# Altium PCB Copy of foxbms2-master.PcbDoc (part 10 of 11) (continued)
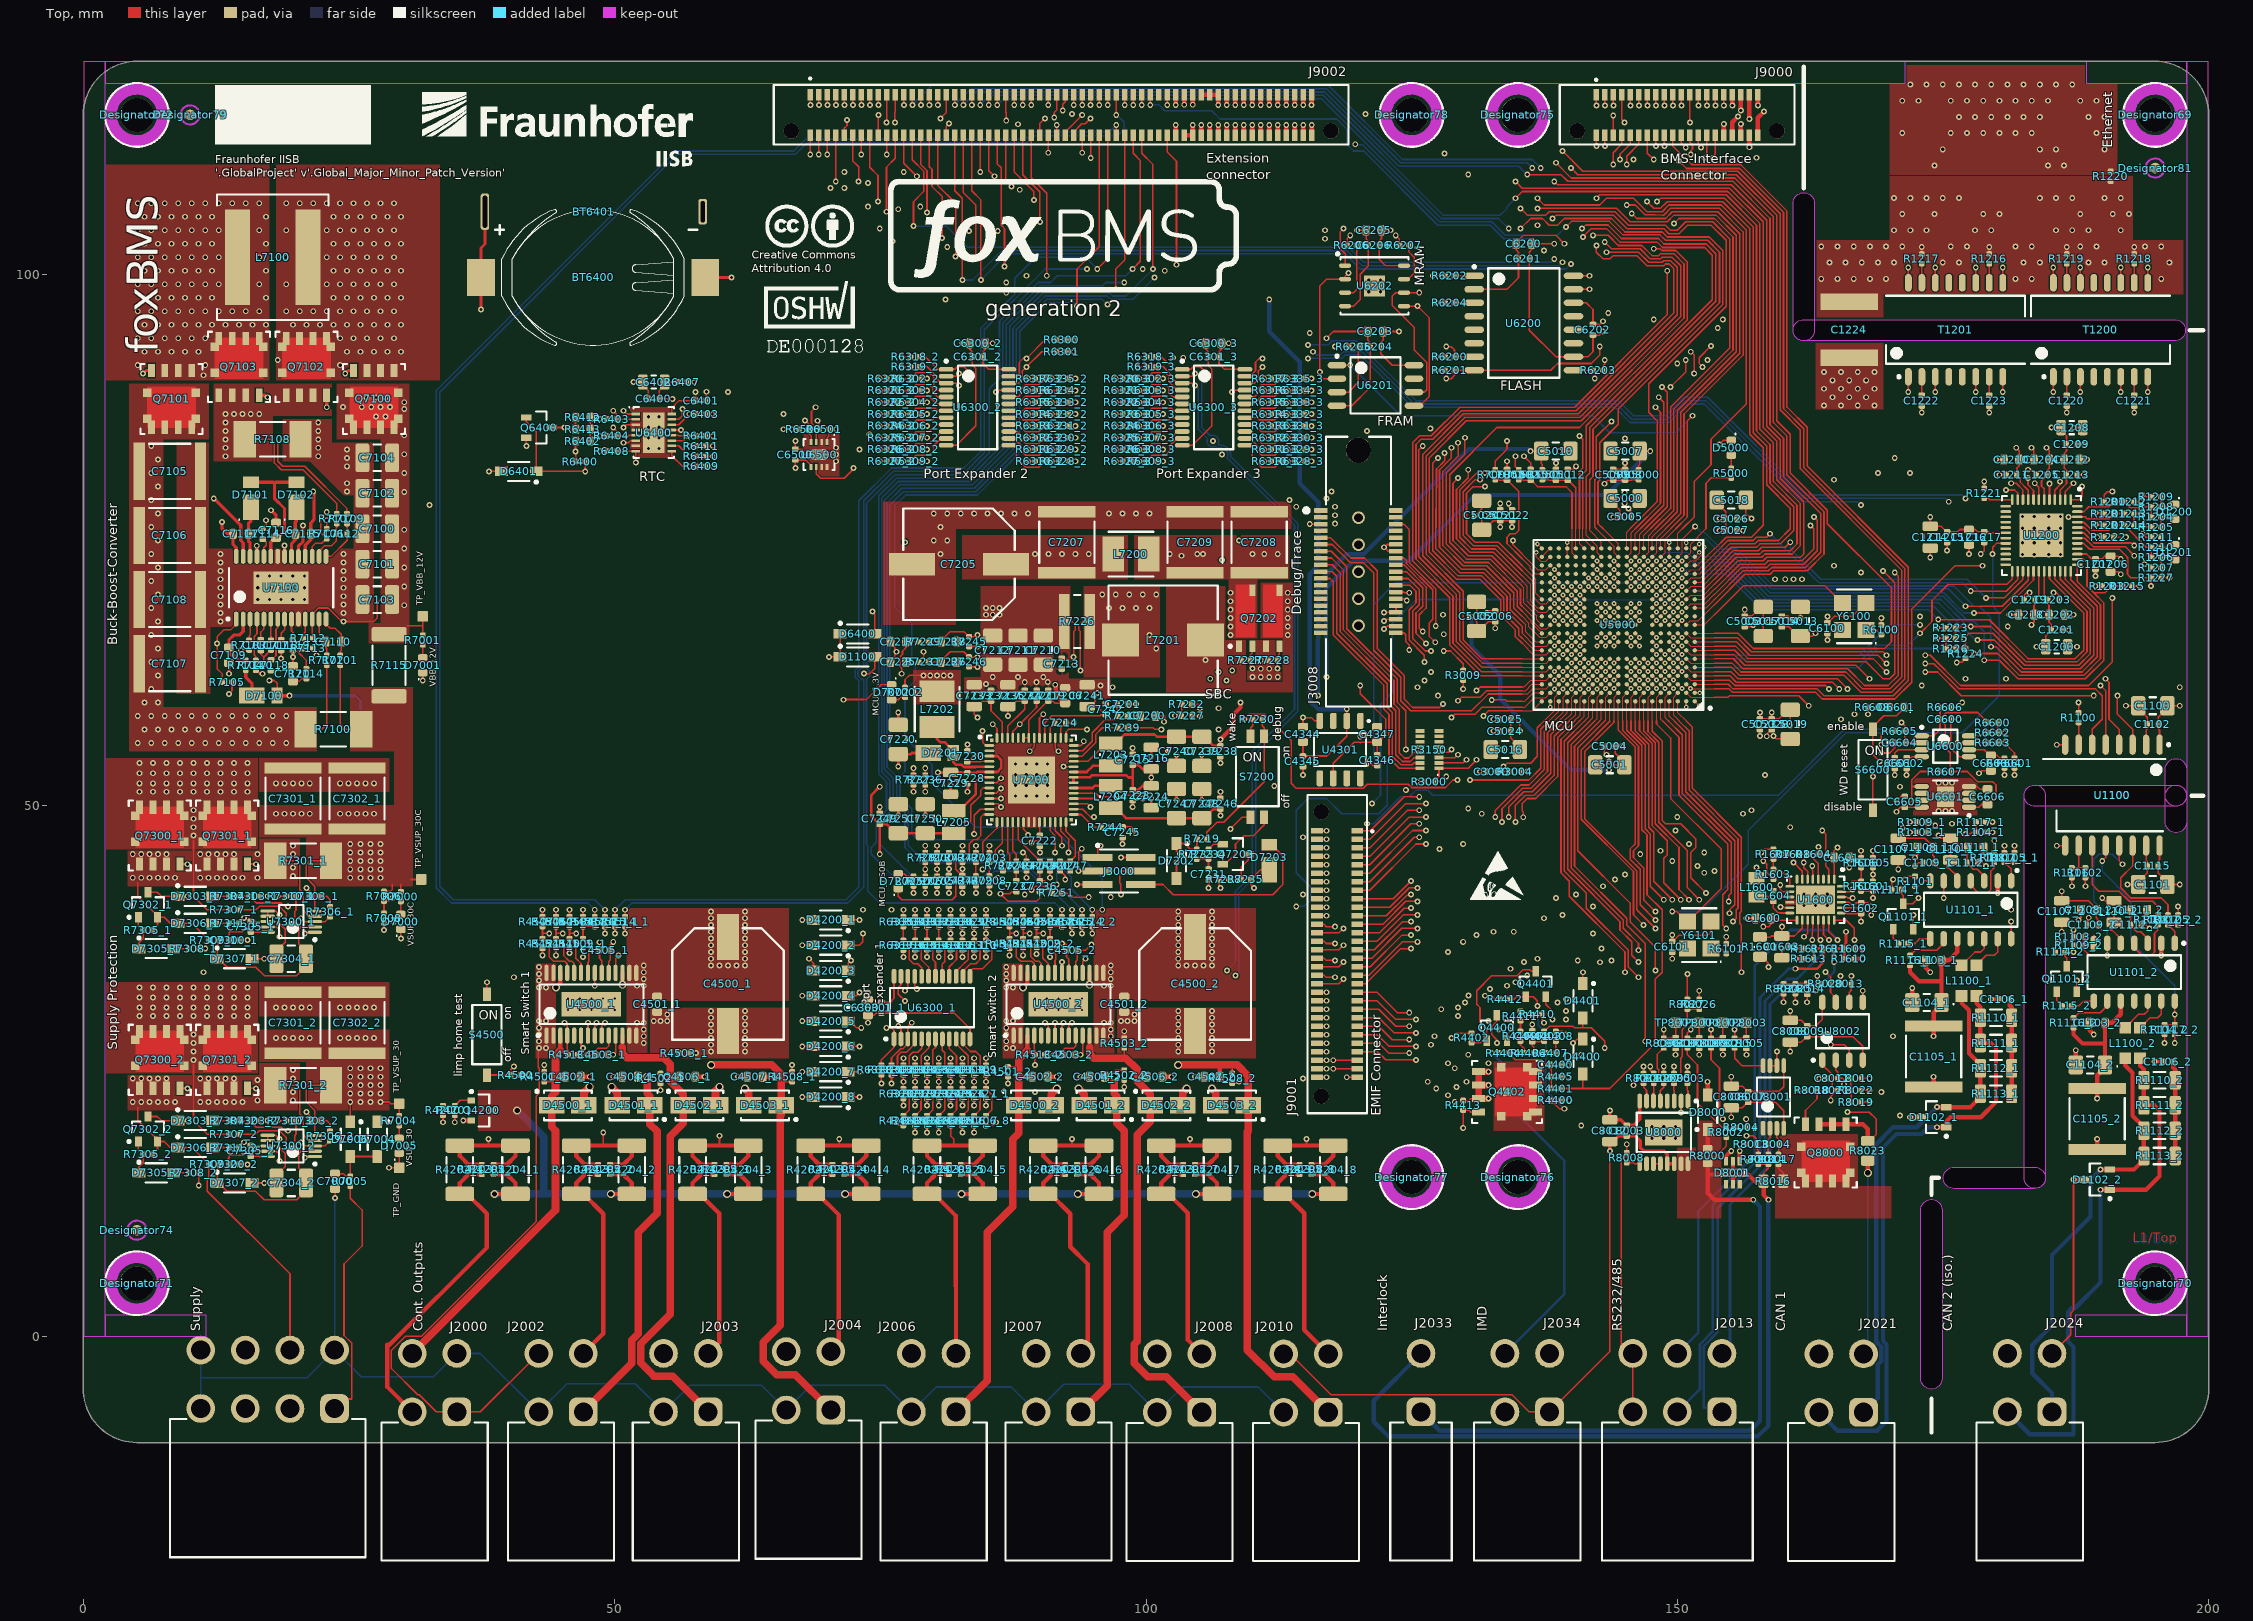
[diagram p0: Top view]
## Nets (pads, with @x,y where several pads share a name; then routed paths per layer and width w, separated by ;. In a path a pad name is that pad's centre, name@x,y a point inside that pad or via, vN(x,y) a via of type N, cw(c..) or ccw(c..) an arc to the next point about the centre after c; other vN are vias at no path point) (continued)
PER_IO.PE_IO3.IO1_2_1: J9000.26 R6312_3.1 R6330_3.2 U6300_3.15 | length 69.7
  Top w0.152: U6300_3.15@109.313,85.196 109.788,85.196 110.571,84.413 110.571,84.384 110.895,84.059 112.132,84.059 R6312_3.1@112.686,84.614 v2(113.347,84.614) R6330_3.2@114.009,84.614 ; v1(151.289,92.71) 151.606,92.392 v1(151.606,90.646) ; J9000.26@152,113.1 152,112.201 152.25,111.951 v1(152.25,111.919)
  Int3 (Sig) w0.152: v2(113.347,84.614) 113.904,84.057 115.729,84.057 115.731,84.059 116.444,84.059 120.332,87.947 145.732,87.947 148.114,90.329 151.289,90.329 v1(151.606,90.646) ; v1(151.289,92.71) 151.289,94.139 151.606,94.456 151.606,110.807 152.25,111.45 v1(152.25,111.919)
PER_IO.PE_IO3.IO1_3_1: J9000.27 R6313_3.1 R6331_3.2 U6300_3.16 | length 74.6
  Top w0.152: U6300_3.16@109.313,85.846 110.21,85.846 110.886,85.171 112.132,85.171 R6313_3.1@112.686,85.725 v2(113.347,85.725) R6331_3.2@114.009,85.725 ; v1(152.4,91.281) 152.082,91.599 152.082,92.146 v1(153.194,93.257) ; v1(152.8,115.887) J9000.27@152.8,116.9
  Int3 (Sig) w0.152: v2(113.347,85.725) 113.904,85.168 115.729,85.168 115.731,85.171 115.8,85.171 118.894,88.265 145.574,88.265 147.955,90.646 150.812,90.646 151.447,91.281 v1(152.4,91.281) ; v1(152.8,115.887) 152.8,113.424 154.305,111.919 154.305,110.649 152.876,109.22 152.876,94.456 153.194,94.139 v1(153.194,93.257)
PER_IO.PE_IO3.IO1_4_1: J9000.28 R6314_3.1 R6332_3.2 U6300_3.17 | length 67.5
  Top w0.152: U6300_3.17@109.313,86.496 110.468,86.496 110.683,86.282 112.132,86.282 R6314_3.1@112.686,86.836 v2(113.347,86.836) R6332_3.2@114.009,86.836 ; v1(152.55,110.966) 152.55,110.99 152.804,111.244 152.804,112.307 152.8,112.312 J9000.28@152.8,113.1
  Int3 (Sig) w0.152: v2(113.347,86.836) 113.902,86.282 116.286,86.282 118.586,88.582 145.415,88.582 147.796,90.964 150.654,90.964 151.924,92.234 151.924,110.34 v1(152.55,110.966)
PER_IO.PE_IO3.IO1_5_1: J9000.29 R6315_3.1 R6333_3.2 U6300_3.18 | length 72.6
  Top w0.152: U6300_3.18@109.313,87.146 110.641,87.146 110.888,87.393 112.132,87.393 R6315_3.1@112.686,87.947 v2(113.347,87.947) R6333_3.2@114.009,87.947 ; v1(153.6,115.887) J9000.29@153.6,116.9
  Int3 (Sig) w0.152: v2(113.347,87.947) 114.234,87.947 114.791,87.391 116.918,87.391 118.427,88.9 145.256,88.9 147.955,91.599 v1(150.019,91.599) ; v1(153.6,115.887) 153.6,113.1 154.623,112.078 154.623,110.554 153.194,109.125 153.194,95.567 v1(153.829,94.932)
  Int1 (Sig) w0.152: v1(150.019,91.599) 150.019,92.392 152.559,94.932 v1(153.829,94.932)
PER_IO.PE_IO3.IO1_6_1: J9000.30 R6316_3.1 R6334_3.2 U6300_3.19 | length 68.4
  Top w0.152: U6300_3.19@109.313,87.796 110.18,87.796 110.886,88.502 112.129,88.502 R6316_3.1@112.686,89.059 v1(113.347,89.059) R6334_3.2@114.009,89.059 ; v1(153.35,110.966) 153.35,110.999 153.6,111.249 J9000.30@153.6,113.1
  Int3 (Sig) w0.152: v1(113.347,89.059) 113.902,88.504 117.556,88.504 118.269,89.218 141.287,89.218 v1(142.24,90.17) ; v1(152.876,91.916) 152.241,92.551 152.241,109.857 v1(153.35,110.966)
  Int1 (Sig) w0.152: v1(142.24,90.17) 143.034,90.964 150.917,90.964 151.87,91.916 v1(152.876,91.916)
PER_IO.PE_IO3.IO1_7_1: J9000.31 R6317_3.1 R6335_3.2 U6300_3.20 | length 72
  Top w0.152: U6300_3.20@109.318,88.451 U6300_3.20@109.313,88.446 110.195,88.446 110.49,88.741 110.49,89.208 110.895,89.613 112.129,89.613 R6317_3.1@112.686,90.17 v2(113.347,90.17) R6335_3.2@114.009,90.17 ; v1(154.4,115.887) J9000.31@154.4,116.9
  Int3 (Sig) w0.152: v2(113.347,90.17) 113.983,89.535 115.286,89.535 cw(c115.57,89.059) 115.854,89.535 139.859,89.535 146.05,95.726 v1(147.796,95.726) ; v1(154.305,95.726) 153.511,96.52 153.511,108.966 154.94,110.395 154.94,112.395 155.2,112.655 155.2,114.675 154.4,115.475 v1(154.4,115.887)
  Int1 (Sig) w0.152: v1(147.796,95.726) v1(154.305,95.726)
RS485.A_1: J2013.2 R1611.1 R1612.2 R1613.2 U1600.22 | length 62.9
  Top w0.152: U1600.22@164.786,39.191 165.914,39.191 166.688,38.417 v2(166.688,37.306)
  Top w0.254: v1(161.131,34.608) 163.151,34.608 163.786,35.242 163.786,36.066 163.856,36.136 R1611.1@163.856,36.512 R1612.2@162.851,36.512 R1613.2@162.851,35.56
  Int3 (Sig) w0.254: v1(161.131,34.608) 162.56,36.036 165.417,36.036 v2(166.688,37.306)
  Bottom w0.254: J2013.2@150.019,-7.105 152.158,-4.966 152.158,-0.751 153.352,0.444 153.352,12.383 157.797,16.828 157.797,31.909 160.496,34.608 v1(161.131,34.608)
RS485.B_1: J2013.5 U1600.21 | length 51.4
  Top w0.152: U1600.21@164.286,39.191 164.286,38.12 v2(165.1,37.306)
  Bottom w0.254: J2013.5@150.019,-1.605 152,0.376 152,11.824 157.321,17.145 157.321,34.925 160.655,38.259 164.21,38.259 165.1,37.368 v2(165.1,37.306)
RS485.Y_1: J2013.1 U1600.19 | length 53
  Top w0.152: U1600.19@163.286,39.191 163.286,37.533 v2(163.512,37.306)
  Bottom w0.254: J2013.1@154.219,-7.105 153.829,-6.715 152.513,-6.715 152.513,-0.899 153.829,0.417 153.829,12.065 158.274,16.51 158.274,31.591 160.338,33.655 161.29,33.655 163.512,35.877 v2(163.512,37.306)
RS485.Z_1: J2013.4 R1609.1 R1610.1 R1611.2 U1600.17 | length 53.7
  Top w0.152: v2(161.936,37.624) 162.286,37.974 U1600.17@162.286,39.191
  Top w0.254: v1(164.786,35.242) 164.786,36.106 164.756,36.136 R1611.2@164.756,36.512 R1609.1@165.761,36.512 ; R1610.1@165.761,35.56 R1609.1@165.761,36.512 ; v2(165.894,38.1) 165.894,37.022 165.761,36.889 R1609.1@165.761,36.512
  Int3 (Sig) w0.254: v2(161.936,37.624) 162.412,38.1 v2(165.894,38.1)
  Bottom w0.254: J2013.4@154.219,-1.605 154.984,-0.84 154.984,12.427 158.75,16.192 158.75,31.261 160.638,33.149 163.641,33.149 164.786,34.294 v1(164.786,35.242)
SBC_MCU_OTP.DBG_1: D7203.2 J3000.6 | length 18.6
  Top w0.152: J3000.6@99.507,42.545 101.6,42.545 102.552,41.593 111.919,41.593 112.871,42.545 112.871,45.247 111.826,46.293 D7203.2@111.601,46.293
SBC_MCU_OTP.DBGHV_1: D7203.1 J3000.4 R7235.1 U7200.8 | length 46.8
  Top w0.152: U7200.8@85.255,52.138 85.951,52.138 v2(86.36,52.546) ; v1(97.631,41.593) 97.631,42.583 97.536,42.678 97.536,43.561 97.79,43.815 J3000.4@99.507,43.815 ; v2(110.172,42.227) 109.855,42.545 R7235.1@109.855,43.021 110.75,43.916 110.75,43.917 D7203.1@111.601,43.917
  Int3 (Sig) w0.152: v1(88.582,41.593) 88.9,41.275 89.535,41.275 89.852,41.593 93.027,41.593 93.345,41.91 97.314,41.91 v1(97.631,41.593) 101.447,41.593 ; 101.441,41.598 101.447,41.593 ; v2(110.172,42.227) 109.537,41.593 101.447,41.593
  Int1 (Sig) w0.152: v2(86.36,52.546) 85.407,51.594 85.407,48.111 84.05,46.753 83.742,46.753 83.344,46.355 83.344,44.291 85.329,42.306 86.441,42.306 87.154,41.593 v1(88.582,41.593)
SBC_MCU_OTP.SCL_1: J3000.5 R7237.1 U7200.10 | length 29.7
  Top w0.152: v2(78.105,51.276) R7237.1@78.105,51.938 ; U7200.10@85.255,51.137 85.904,51.137 v2(86.36,51.594) ; v2(93.504,42.545) J3000.5@95.438,42.545
  Int3 (Sig) w0.152: v2(78.105,51.276) 78.899,52.07 80.645,52.07 81.121,52.546 83.502,52.546 84.455,51.594 v2(86.36,51.594) ; v1(86.995,42.545) 89.059,42.545 89.376,42.862 90.411,42.862 91.364,41.91 92.869,41.91 v2(93.504,42.545)
  Int1 (Sig) w0.152: v2(86.36,51.594) 86.995,50.959 v1(86.995,42.545)
SBC_MCU_OTP.SDA_1: J3000.3 R7236.1 U7200.11 | length 27.5
  Top w0.152: v2(79.216,51.276) R7236.1@79.216,51.938 ; U7200.11@85.255,50.638 85.819,50.638 85.822,50.641 v2(86.36,50.641) ; v2(93.652,43.815) J3000.3@95.438,43.815
  Int3 (Sig) w0.152: v2(79.216,51.276) 79.851,50.641 84.296,50.641 85.433,50.641 v2(86.36,50.641) ; v1(84.614,43.974) 87.154,43.974 87.312,43.815 v2(93.652,43.815)
  Int1 (Sig) w0.152: v1(84.614,43.974) 84.614,46.355 85.725,47.466 85.725,50.006 v2(86.36,50.641)
SEL_3: R1102.1 R1106.2 U1100.10 | length 3.4
  Top w0.152: R1106.2@187.166,44.106 187.801,44.106 ; U1100.10@187.801,46.209 187.801,44.106 ; R1102.1@188.436,44.106 188.06,44.106 187.801,44.106
SHIELD: C1224.2 R1216.1 R1217.1 R1218.1 R1219.1 R1220.1 | length 2.6
  Top w0.152: R1217.1@173.037,101.891 v2(173.037,102.552) ; R1216.1@179.387,101.891 v2(179.387,102.552) ; R1219.1@186.69,101.891 v2(186.69,102.552) ; R1218.1@193.04,101.891 v2(193.04,102.552)
  other v1: 163.576,99.568 165.1,99.568 166.624,99.568 168.148,99.568 169.672,99.568 181.864,99.568 183.388,99.568 195.58,99.568 164.338,101.092 165.862,101.092 167.386,101.092 168.91,101.092 170.434,101.092 175.006,101.092 176.53,101.092 182.626,101.092 184.15,101.092 188.722,101.092 190.246,101.092 196.342,101.092 163.576,102.616 165.1,102.616 166.624,102.616 168.148,102.616 169.672,102.616 171.196,102.616 175.768,102.616 177.292,102.616 181.864,102.616 183.388,102.616 187.96,102.616 189.484,102.616 194.056,102.616 195.58,102.616 170.434,104.14 171.958,104.14 173.482,104.14 178.054,104.14 179.578,104.14 185.674,104.14 187.198,104.14 188.722,104.14 191.77,104.14 171.196,105.664 174.244,105.664 178.816,105.664 180.34,105.664 187.96,105.664 191.008,105.664 192.532,105.664 170.434,107.188 171.958,107.188 173.482,107.188 175.006,107.188 176.53,107.188 184.15,107.188 185.674,107.188 187.198,107.188 190.246,107.188 191.77,107.188
SMSW_OUT1.1_1: C4502_1.2 D4500_1.1 J2000.4 R4501_1.2 U4500_1.3 | length 38
  Top w0.152: R4501_1.2@43.339,23.997 44.396,23.997 44.402,24.004
  Top w0.406: 44.402,24.447 C4502_1.2@45.313,24.447 ; U4500_1.3@44.859,28.324 44.859,26.937 44.867,26.928
  Top w0.711: J2000.4@30.92,-1.605 44.402,11.877 44.402,19.367 44.036,19.734 D4500_1.1@44.036,21.749 44.036,22.625 44.402,22.992 44.402,24.004 44.402,24.447 44.402,26.464 44.867,26.928
SMSW_OUT1.2_1: C4504_1.2 D4501_1.1 J2002.1 R4502_1.2 U4500_1.26 | length 53.4
  Top w0.152: v6(53.023,24.447) 53.625,24.447 53.916,24.739 R4502_1.2@54.292,24.739
  Top w0.406: v6(44.45,32.861) 44.859,33.27 U4500_1.26@44.859,34.224 ; C4504_1.2@52.16,24.447 v6(53.023,24.447)
  Top w0.711: J2002.1@47.026,-7.105 51.598,-2.533 51.598,-0.372 52.201,0.231 52.201,9.815 53.975,11.589 53.975,19.298 53.278,19.995 D4501_1.1@53.278,21.749 53.278,22.625 53.023,22.88 v6(53.023,24.447)
  Int3 (Sig) w0.711: v6@44.41,32.821 v6(44.45,32.861)
  Int1 (Sig) w0.711: v6@44.41,32.821 44.41,28.279 47.308,25.381 52.089,25.381 v6(53.023,24.447)
SMSW_OUT1.3_1: C4506_1.2 D4502_1.1 J2003.1 R4503_1.2 U4500_1.12 | length 47.7
  Top w0.152: 54.577,26.227 55.02,26.67 R4503_1.2@56.065,26.67
  Top w0.406: 50.709,27.237 U4500_1.12@50.709,28.324 ; 55.197,24.447 C4506_1.2@56.108,24.447
  Top w0.711: 50.709,27.237 50.709,26.643 51.125,26.227 54.577,26.227 55.197,25.606 55.197,24.447 55.197,24.019 56.419,22.798 D4502_1.1@56.419,21.749 56.419,20.065 55.197,18.844 55.197,2.077 52.411,-0.709 52.411,-2.501 53.678,-3.768 55.437,-3.768 J2003.1@58.774,-7.105
SMSW_OUT1.4_1: C4507_1.2 D4503_1.1 J2004.1 R4508_1.2 U4500_1.17 | length 61.3
  Top w0.152: 65.66,23.979 65.678,23.997 R4508_1.2@66.675,23.997
  Top w0.406: v6(50.709,33.111) U4500_1.17@50.709,34.224 ; C4507_1.2@63.907,24.447 65.439,24.447 65.66,24.669
  Top w0.711: v6(59.055,25.559) 64.77,25.559 65.66,24.669 65.66,23.979 D4503_1.1@65.66,21.749 65.66,20.872 65.564,20.776 65.564,1.067 63.963,-0.533 63.963,-2.325 65.23,-3.592 66.989,-3.592 J2004.1@70.326,-6.929
  Int1 (Sig) w0.711: v6(50.709,33.111) 50.709,32.952 51.117,32.544 51.117,27.781 53.34,25.559 v6(59.055,25.559)
SMSW_OUT2.1_1: C4502_2.2 D4500_2.1 J2006.1 R4501_2.2 U4500_2.3 | length 40.5
  Top w0.152: R4501_2.2@86.995,25.374 87.988,25.374 88.01,25.352
  Top w0.406: 88.01,24.484 88.047,24.447 C4502_2.2@89.286,24.447 ; 88.832,26.937 U4500_2.3@88.832,28.324
  Top w0.711: J2006.1@82.11,-7.105 85.062,-4.153 85.062,9.815 87.471,12.224 87.471,18.574 88.01,19.112 D4500_2.1@88.01,21.749 88.01,24.484 88.01,25.352 88.01,26.114 88.832,26.937
SMSW_OUT2.2_1: C4504_2.2 D4501_2.1 J2007.1 R4502_2.2 U4500_2.26 | length 52.3
  Top w0.152: v6(96.996,24.447) 96.996,24.924 97.129,25.056 R4502_2.2@97.949,25.056
  Top w0.406: v6(88.424,32.861) 88.832,33.27 U4500_2.26@88.832,34.224 ; C4504_2.2@96.134,24.447 v6(96.996,24.447)
  Top w0.711: J2007.1@93.858,-7.105 96.334,-4.629 96.334,9.815 97.949,11.43 97.949,19.367 97.251,20.065 D4501_2.1@97.251,21.749 97.251,22.625 96.996,22.88 v6(96.996,24.447)
  Int1 (Sig) w0.711: v6(88.424,32.861) 88.424,30.585 88.384,30.545 88.384,28.279 91.282,25.381 96.063,25.381 v6(96.996,24.447)
SMSW_OUT2.3_1: C4506_2.2 D4502_2.1 J2008.1 R4503_2.2 U4500_2.12 | length 45.8
  Top w0.152: R4503_2.2@97.949,27.172 97.949,26.352 98.108,26.194
  Top w0.406: 94.683,27.237 U4500_2.12@94.682,28.324 ; 99.171,24.447 C4506_2.2@100.081,24.447
  Top w0.711: 94.683,27.237 94.683,26.61 95.099,26.194 98.108,26.194 99.171,25.13 99.171,24.447 99.171,24.019 100.392,22.798 D4502_2.1@100.392,21.749 100.392,20.224 99.171,19.002 99.171,-0.465 98.888,-0.748 98.888,-2.54 100.155,-3.807 101.914,-3.807 J2008.1@105.251,-7.144
SMSW_OUT2.4_1: C4507_2.2 D4503_2.1 J2010.1 R4508_2.2 U4500_2.17 | length 60.4
  Top w0.152: 108.085,25.559 108.109,25.535 R4508_2.2@108.109,24.739
  Top w0.406: v6(94.683,33.111) U4500_2.17@94.682,34.224 ; 106.856,25.559 106.929,25.486 C4507_2.2@106.929,24.447
  Top w0.711: v6(103.029,25.559) 106.856,25.559 108.085,25.559 108.585,25.559 109.634,24.51 D4503_2.1@109.634,21.749 109.634,19.341 109.537,19.245 109.537,-1.282 112.062,-3.807 113.82,-3.807 J2010.1@117.157,-7.144
  Int1 (Sig) w0.711: v6(94.683,33.111) 94.683,33.101 95.091,32.692 95.091,27.781 97.314,25.559 v6(103.029,25.559)
SUPPLY_ext.15_IGNITION_1: J2009.1 R7005.2 | length 23.5
  Top w0.152: J2009.1@23.604,-6.787 24.496,-5.895 25.208,-5.895 25.208,-0.623 24.496,0.089 24.496,6.818 26.194,8.516 26.194,11.906 25.082,13.018 R7005.2@25.082,14.155
SUPPLY_IO.IGNITION_1: C7217.2 D7004.1 R7229.2 S7200.1 | length 145
  Top w0.152: D7004.1@27.622,20.209 28.623,20.209 v1(28.892,20.479) ; v2(76.994,62.389) 76.994,62.916 76.848,63.061 76.848,63.999 77.072,64.223 77.072,64.499 77.401,64.828 C7217.2@77.401,65.405 R7229.2@78.607,65.405 ; v1(107.95,47.784) 109.061,48.895 S7200.1@109.855,48.895
  Int3 (Sig) w0.152: v1(29.181,39.026) 29.525,39.37 52.387,39.37 53.816,40.799 72.707,40.799 v1(73.343,40.164)
  Int1 (Sig) w0.152: v1(28.892,20.479) 28.892,38.737 v1(29.181,39.026) ; v1(73.343,40.164) 73.66,40.481 73.66,59.055 v2(76.994,62.389) ; v1(107.566,61.74) 107.566,48.168 v1(107.95,47.784)
  Int4 (Sig) w0.152: v2(76.994,62.389) 78.105,62.389 82.391,66.675 103.781,66.675 107.565,62.891 107.565,62.466 107.566,62.465 v1(107.566,61.74)
SUPPLY_IO.SBC_MCU_FS0B_1: C7243.2 J9002.79 R7243.2 | length 100.8
  Top w0.152: C7243.2@81.439,43.399 v2(81.439,44.017) R7243.2@81.439,44.635 ; v1(99.6,115.947) J9002.79@99.6,116.9
  Int3 (Sig) w0.152: v1(99.6,115.947) 99.647,115.9 99.647,100.536 v1(99.695,100.489)
  Int1 (Sig) w0.152: v1(73.977,84.931) 74.376,84.533 74.376,81.073 78.422,77.026 78.422,58.261 77.47,57.309 77.47,50.8 78.422,49.847 78.422,43.497 78.899,43.021 80.443,43.021 v2(81.439,44.017) ; v1(81.121,97.631) 90.17,97.631 92.392,99.854 99.06,99.854 v1(99.695,100.489)
  Int4 (Sig) w0.152: v1(73.977,84.931) 73.977,90.487 v1(81.121,97.631)
SUPPLY_IO.SBC_MCU_WAKE2_1: C7225.2 D1100.1 D6400.1 R7231.2 | length 15
  Top w0.152: v1(70.168,63.976) D1100.1@71.207,63.976 D6400.1@71.207,66.14 ; C7225.2@77.401,63.5 R7231.2@78.607,63.5 79.057,63.95 v1(79.057,64.453)
  Int3 (Sig) w0.152: v1(70.168,63.976) 70.631,63.513 78.118,63.513 v1(79.057,64.453)
SWT_72: C6602.2 U6600.4 | length 1.5
  Top w0.152: C6602.2@171.609,54.485 172.02,54.485 172.123,54.587 U6600.4@173.035,54.587
TCK_13: J3008.15 R3150.13 | length 24.4
  Top w0.152: J3008.15@116.47,73.28 117.47,73.28 118.586,72.164 118.586,66.516 123.349,61.754 123.349,59.531 123.825,59.055 123.825,54.952 124.326,54.451 124.712,54.451 125.256,54.995 R3150.13@125.783,54.995
TDI_13: J3008.19 R3150.15 | length 23.8
  Top w0.152: J3008.19@116.47,72 117.527,72 117.951,71.576 117.951,66.199 122.714,61.436 122.714,59.214 123.19,58.737 123.19,54.628 124.002,53.816 125.077,53.816 125.256,53.995 R3150.15@125.783,53.995
TMS_13: J3008.17 R3150.14 | length 24.1
  Top w0.152: J3008.17@116.47,72.64 117.526,72.64 118.269,71.898 118.269,66.358 123.031,61.595 123.031,59.372 123.507,58.896 123.507,54.769 124.146,54.13 124.891,54.13 125.256,54.495 R3150.14@125.783,54.495
VBAT: BT6400.+ BT6401.+ C6401.2 U6400.16 | length 37.8
  Top w0.152: U6400.16@55.348,86.84 55.348,87.415 56.039,88.106 C6401.2@57.592,88.106 57.592,88.921 v2(57.59,88.924)
  Top w0.254: v2(37.402,96.682) 37.393,96.691 BT6400.+@37.393,99.695 37.393,102.48 37.765,102.852 BT6401.+@37.765,105.886
  Int5 (Pwr) w0.254: v2(37.402,96.682) 37.402,96.012 42.771,90.644 43.812,90.644 44.609,91.44 48.752,91.44 51.292,88.9 57.566,88.9 v2(57.59,88.924) v2@57.646,88.868
VBB_12V: C4500_1.1 C4500_2.1 C4501_1.2 C4501_2.2 C7100.2 C7101.2 C7102.2 C7103.2 C7104.2 C8003.2 C8012.2 D8001.3 J2000.1 J2002.4 J2003.4 J2004.4 J2006.4 J2007.4 J2008.4 J2010.4 J2034.1 J9000.38 J9002.118 J9002.120 Q7100.D R4410.2 R7001.2 R7112.1 R7115.2 TP_VBB_12V.1 U4500_1.1 U4500_1.2 U4500_1.13 U4500_1.14 U4500_1.15 U4500_1.16 U4500_1.27 U4500_1.28 U4500_2.1 U4500_2.2 U4500_2.13 U4500_2.14 U4500_2.15 U4500_2.16 U4500_2.27 U4500_2.28 U7100.12 U8000.13 U8000.14 | length 452.2
  Top w0.152: R7112.1@21.564,65.722 21.564,66.099 21.499,66.164 U7100.12@21.499,67.535 21.499,68.01 22.069,68.58 23.019,68.58 24.289,67.31 v1(24.447,67.31) 27.305,67.31 27.622,67.627 27.622,69.056 27.94,69.374 C7103.2@29.022,69.374 ; 30.388,66.9 31.909,66.9 ; R7001.2@31.909,66.014 31.909,66.9 ; TP_VBB_12V.1@31.909,67.786 31.909,66.9 ; J2002.4@42.826,-1.605 37.326,-7.105 J2000.1@35.12,-7.105 33.188,-7.105 31.584,-5.501 31.441,-5.501 28.956,-3.016 28.956,-1.301 30.256,-0.001 31.77,-0.001 42.582,10.812 42.582,22.629 42.862,22.909 42.862,25.251 42.784,25.329 42.784,27.068 v2(42.862,27.146) ; J2010.4@112.957,-1.644 113.563,-1.644 117.42,-5.501 134.454,-5.501 136.058,-7.105 J2034.1@137.99,-7.105 143.669,-1.426 v2(143.669,17.462) ; R4410.2@137.293,30.321 137.293,29.82 137.477,29.635 v1(137.477,29.527)
  Top w0.305: v2(143.669,17.462) C8012.2@143.669,18.342 143.944,18.342 144.459,18.857 C8003.2@145.256,18.857 146.084,18.857 146.526,18.415 146.526,17.78 146.844,17.462 148.749,17.462 149.074,17.138 U8000.13@149.074,16.259 U8000.14@149.724,16.259
  Top w0.406: J9002.118@114.8,113.1 v1(114.8,114.042) ; J9002.120@115.6,113.1 v1(115.6,114.042) ; D8001.3@154.608,16.474 154.608,16.975 155.095,17.462 v1(155.099,17.462) ; v1(156.8,111.951) J9000.38@156.8,113.1
  Int3 (Sig) w0.406: v1(30.162,87.947) 32.067,89.852 59.214,116.999 104.667,116.999 106.572,115.094 114.482,115.094 114.8,114.776 v1(114.8,114.042) ; v1(115.6,114.042) v1(114.8,114.042) ; v1(130.334,109.379) 117.966,109.379 114.8,112.545 v1(114.8,114.042)
  Int1 (Sig) w0.152: J2002.4@42.826,-1.605 44.758,-1.605 46.362,-3.209 47.691,-3.209 47.725,-3.175 53.004,-3.175 J2003.4@54.574,-1.605 56.62,-3.651 63.904,-3.651 J2004.4@66.126,-1.429 68.349,-3.651 73.184,-3.651 75.23,-1.605 J2006.4@77.91,-1.605 78.281,-1.605 80.328,-3.651 86.519,-3.651 88.565,-1.605 J2007.4@89.657,-1.605 90.188,-1.605 92.102,-3.519 96.334,-3.519 98.209,-1.644 J2008.4@101.051,-1.644 102.9,-3.492 106.998,-3.492 108.846,-1.644 J2010.4@112.957,-1.644
  Int1 (Sig) w0.61: 22.86,19.367 22.86,61.531 v1(30.162,68.834) v1(30.162,70.612) v1(30.162,72.39) v1(30.162,74.168) v1(30.162,75.946) ; v1(137.477,29.527) 137.477,21.749 141.764,17.462 v2(143.669,17.462) 144.78,16.351 153.987,16.351 v1(155.099,17.462)
  Int4 (Sig) w0.406: v1(130.334,109.379) 131.127,110.172 135.255,110.172 137.477,112.395 141.446,112.395 142.24,113.189 155.563,113.189 v1(156.8,111.951)
  other v1: 30.162,79.502 30.162,81.28 30.162,83.058 30.162,84.836 27.495,86.614 28.384,86.614 30.162,87.312 24.384,87.503 26.162,87.503 27.051,87.503 27.94,87.503 28.829,87.503 26.607,88.392 27.495,88.392 28.384,88.392
  other v2: 43.497,27.146 86.836,27.146 87.471,27.146 52.705,27.622 96.679,27.622 42.862,27.781 86.836,27.781 52.705,28.258 96.679,28.258 42.862,28.416 86.836,28.416 52.705,28.892 96.679,28.892 42.862,29.051 86.836,29.051 52.07,29.527 52.705,29.527 96.044,29.527 96.679,29.527 42.862,29.686 43.497,29.686 86.836,29.686 87.471,29.686 42.862,32.861 43.497,32.861 86.836,32.861 87.471,32.861 52.07,33.02 52.705,33.02 96.044,33.02 96.679,33.02 42.862,33.496 86.836,33.496 52.705,33.655 96.679,33.655 42.862,34.131 86.836,34.131 52.705,34.29 96.679,34.29 42.862,34.766 86.836,34.766 52.705,34.925 59.055,34.925 59.849,34.925 60.642,34.925 61.436,34.925 62.23,34.925 96.679,34.925 103.029,34.925 103.822,34.925 104.616,34.925 105.41,34.925 106.204,34.925 59.055,35.56 62.23,35.56 103.029,35.56 106.204,35.56 59.055,36.195 62.23,36.195 103.029,36.195 106.204,36.195 59.055,36.83 62.23,36.83 103.029,36.83 106.204,36.83 59.055,37.465 62.23,37.465 103.029,37.465 106.204,37.465 59.055,38.1 62.23,38.1 103.029,38.1 106.204,38.1 59.055,38.735 62.23,38.735 103.029,38.735 106.204,38.735 59.055,39.37 62.23,39.37 103.029,39.37 106.204,39.37 59.055,40.005 62.23,40.005 103.029,40.005 106.204,40.005
VBOS: C7241.2 C7242.2 R7232.2 U7200.47 | length 23
  Top w0.152: U7200.47@90.468,56.35 90.468,57.765 91.123,58.42 95.666,58.42 95.791,58.545 C7242.2@96.153,58.545 ; C7241.2@94.456,59.3 C7241.2@94.731,59.3 ; v2(95.41,60.564) 95.41,60.486 95.2,60.276 95.2,59.769 C7241.2@94.731,59.3 ; C7242.2@96.203,58.545 C7242.2@96.153,58.545 ; R7232.2@104.273,59.531 105.093,59.531 v2(105.093,59.136) ; C7241.2@94.731,59.3 95.398,59.3 C7242.2@96.153,58.545
  Int3 (Sig) w0.152: v2(95.41,60.564) 95.41,60.166 104.457,60.166 105.093,59.531 v2(105.093,59.136)
VCC: C1603.2 L1600.2 R1600.2 R1609.2 U1600.6 U1600.16 U1600.20 U1600.24 | length 14.7
  Top w0.152: L1600.2@157.48,43.144 v2(157.48,44.133) ; R1600.2@157.797,37.596 158.779,37.596 158.879,37.696 C1603.2@159.861,37.696 ; v2(159.861,38.576) C1603.2@159.861,37.696 ; U1600.16@161.786,39.191 161.786,38.437 161.045,37.696 C1603.2@159.861,37.696 ; v2(161.925,44.609) 161.925,44.133 162.286,43.771 U1600.6@162.286,43.041 ; U1600.20@163.786,39.191 163.786,37.826 v2(164.306,37.306) ; U1600.24@165.461,40.366 167.596,40.366 v2(168.275,39.688)
  Top w0.406: R1609.2@166.661,36.512 v2(167.481,36.512)
VCC_int: C7116.1 D7101.2 D7102.2 U7100.23 | length 12.3
  Top w0.305: D7101.2@15.716,80.424 17.842,80.424 17.939,80.328 ; U7100.23@17.599,73.435 17.599,74.759 17.998,75.158 C7116.1@18.098,75.158 18.197,75.158 18.891,75.851 18.891,77.946 17.939,78.899 17.939,80.328 ; D7102.2@20.002,80.424 18.035,80.424 17.939,80.328
VCC_reg: C6600.2 C6606.2 R6600.2 R6606.2 R6607.2 U6600.1 U6601.1 | length 23.4
  Top w0.152: U6600.1@173.035,56.537 174.171,56.537 174.75,57.116 C6600.2@174.75,58.053 ; R6606.2@174.81,59.214 174.81,58.837 174.75,58.777 C6600.2@174.75,58.152 ; U6601.1@177.485,49.825 178.402,49.825 178.652,50.075 C6606.2@179.229,50.075 179.329,50.075 180.022,50.769 180.022,51.911 179.705,52.229 178.276,52.229 177.324,53.181 R6607.2@175.71,53.181 175.71,54.954 175.26,55.404 175.26,57.542 C6600.2@174.75,58.053 ; R6600.2@179.255,57.785 178.302,58.737 175.335,58.737 C6600.2@174.75,58.152 ; C6600.2@174.75,58.053 C6600.2@174.75,58.102 C6600.2@174.75,58.152
VCCAD_5.0V: C5011.2 C5012.2 FB5001.2 U5000.W15 | length 9.2
  Top w0.102: U5000.W15@140.463,74.192 140.463,76.041
  Top w0.152: FB5001.2@137.319,80.671 137.928,80.671 137.988,80.611 C5011.2@138.589,80.611 C5012.2@139.7,80.611 139.75,80.611 140.463,79.899 140.463,76.041
VCCPLL_1.2V: C5008.2 C5009.2 FB5000.2 U5000.P11 | length 13.9
  Top w0.102: v3(143.263,70.592) U5000.P11@143.663,70.192
  Top w0.152: v1(143.153,80.27) 143.494,80.611 C5009.2@143.986,80.611 C5008.2@145.097,80.611 145.699,80.611 145.759,80.671 FB5000.2@146.368,80.671
  Int5 (Pwr) w0.102: 142.875,76.041 142.875,70.98 v3(143.263,70.592)
  Int5 (Pwr) w0.152: 142.875,76.041 142.875,78.959 143.132,79.216 143.132,80.249 v1(143.153,80.27)
VCOREMON: R7202.1 U7200.17 | length 4.9
  Top w0.152: R7202.1@86.519,43.841 87.154,44.476 87.154,45.402 86.967,45.589 U7200.17@86.967,48.425
VDD: C1600.1 R1610.2 U1600.15 | length 15.3
  Top w0.152: v2(158.115,38.576) 158.623,38.576 158.84,38.793 C1600.1@158.84,39.37 159.385,39.37 159.564,39.191 U1600.15@161.286,39.191
  Top w0.406: R1610.2@166.661,35.56 v2(167.481,35.56)
  Int5 (Pwr) w0.152: v2(158.115,38.576) 159.385,37.306 161.29,37.306 162.56,36.036 167.005,36.036 v2(167.481,35.56)
VEE: C1601.1 R1613.1 U1600.1 U1600.12 U1600.29 | length 4
  Top w0.152: U1600.1@164.786,43.041 164.786,44.483 164.761,44.508 C1601.1@164.761,45.085 164.761,45.699 v2(165.1,46.038)
  Top w0.406: v2(161.131,35.56) R1613.1@161.951,35.56
  other v2: 161.936,40.566 163.036,40.566 164.136,40.566 161.936,41.666 163.036,41.666 164.136,41.666
VISO_ext: C1101.2 C1103_2.2 C1104_2.2 C1105_2.2 C1107_2.2 C1108_2.2 C1109_2.2 C1110_2.2 C1111_2.2 C1112_2.2 C1115.2 Q1101_2.S R1102.2 R1103_2.2 R1104_2.2 R1105_2.2 R1116_2.2 U1100.16 U1101_2.3 U1101_2.5 U1101_2.10 | length 40.4
  Top w0.152: v1(186.214,41.91) C1107_2.2@186.214,41.03 188.712,41.03 189.479,40.264 C1108_2.2@189.479,40.164 189.479,39.439 189.581,39.336 C1109_2.2@189.581,38.735 189.581,38.685 190.008,38.259 190.951,38.259 191.77,37.44 U1101_2.5@191.77,37.015 ; v1(187.325,38.259) 187.351,38.233 R1103_2.2@187.351,37.624 ; Q1101_2.S@187.64,32.455 187.64,33.057 187.642,33.059 v1(187.642,33.496) ; v1(188.436,42.386) R1102.2@188.436,43.206 ; v1(190.024,41.275) 190.269,41.03 C1110_2.2@191.135,41.03 191.41,41.03 192.276,40.164 C1111_2.2@192.791,40.164 192.791,39.587 192.689,39.485 C1112_2.2@192.689,38.735 192.689,38.685 193.274,38.1 193.65,38.1 194.31,37.44 U1101_2.3@194.31,37.015 ; U1100.16@195.421,46.209 195.421,44.828 195.296,44.703 C1115.2@195.296,44.291 195.296,43.635 196.161,42.77 C1101.2@196.161,42.545 v1(197.326,42.545) ; v1(195.897,27.622) R1104_2.2@195.897,28.442 ; R1105_2.2@197.167,39.661 v1(197.167,40.481)
  Top w0.406: R1116_2.2@187.325,29.077 187.325,28.416 188.173,27.569 190.287,27.569 ; v2(189.547,22.384) C1105_2.2@189.547,23.354 189.547,24.594 190.287,25.334 C1104_2.2@190.287,25.559 190.287,27.569 ; U1101_2.10@191.77,31.565 191.77,30.321 190.976,29.527 C1103_2.2@190.272,29.527 190.272,28.951 190.287,28.936 190.287,27.569
VMON1: R7203.1 R7208.2 U7200.16 | length 5.6
  Top w0.152: R7208.2@85.249,43.339 85.249,43.987 R7203.1@85.249,44.635 85.806,45.192 85.806,45.801 86.468,46.463 U7200.16@86.468,48.425
VMON2: R7204.1 R7209.2 U7200.15 | length 5.9
  Top w0.152: R7209.2@83.979,43.339 R7204.1@83.979,44.635 84.614,45.27 84.614,46.514 85.967,47.867 U7200.15@85.967,48.425
VMON3: R7200.1 R7205.2 U7200.13 | length 10.5
  Top w0.152: R7205.2@80.328,43.339 v2(80.328,43.987) R7200.1@80.328,44.635 ; v2(83.82,47.307) 83.82,49.054 84.404,49.638 U7200.13@85.255,49.638
  Int1 (Sig) w0.152: v2(80.328,43.987) 81.439,45.098 81.439,46.672 82.074,47.307 v2(83.82,47.307)
VMON4: R7201.1 R7206.2 U7200.12 | length 16.8
  Top w0.152: R7206.2@79.216,43.313 v2(79.216,43.974) R7201.1@79.216,44.635 ; U7200.12@85.255,50.137 86.07,50.137 v2(86.36,49.847)
  Int3 (Sig) w0.152: v2(79.216,43.974) 80.01,43.18 v1(86.042,43.18)
  Int1 (Sig) w0.152: v1(86.042,43.18) 85.806,43.417 85.806,45.791 86.042,46.028 86.042,46.038 86.519,46.514 86.519,48.047 86.36,48.206 v2(86.36,49.847)
VREF_5V: C4346.2 C4347.2 FB5002.1 U4301.6 | length 54.4
  Top w0.152: U4301.6@117.634,52.545 117.634,53.975 119.608,55.949 119.981,55.949 ccw(c120.174,56.469) 120.366,55.949 C4347.2@121.761,55.949 ; v1(120.174,61.277) 120.174,60.51 122.555,58.129 122.555,56.643 121.861,55.949 C4347.2@121.761,55.949 ; C4346.2@121.761,54.769 C4347.2@121.761,55.949 ; v2(134.779,82.867) 134.779,81.889 FB5002.1@135.096,81.571
  Int3 (Sig) w0.152: v1(126.767,85.482) 126.767,82.466 127.159,82.074 129.381,82.074 130.493,83.185 134.461,83.185 v2(134.779,82.867)
  Int1 (Sig) w0.152: v1(120.174,61.277) 120.174,65.209 121.285,66.32 121.285,70.009 123.666,72.39 123.666,82.382 v1(126.767,85.482)